# KiCad board Si5351ABreakout_panel.kicad_pcb (continued)
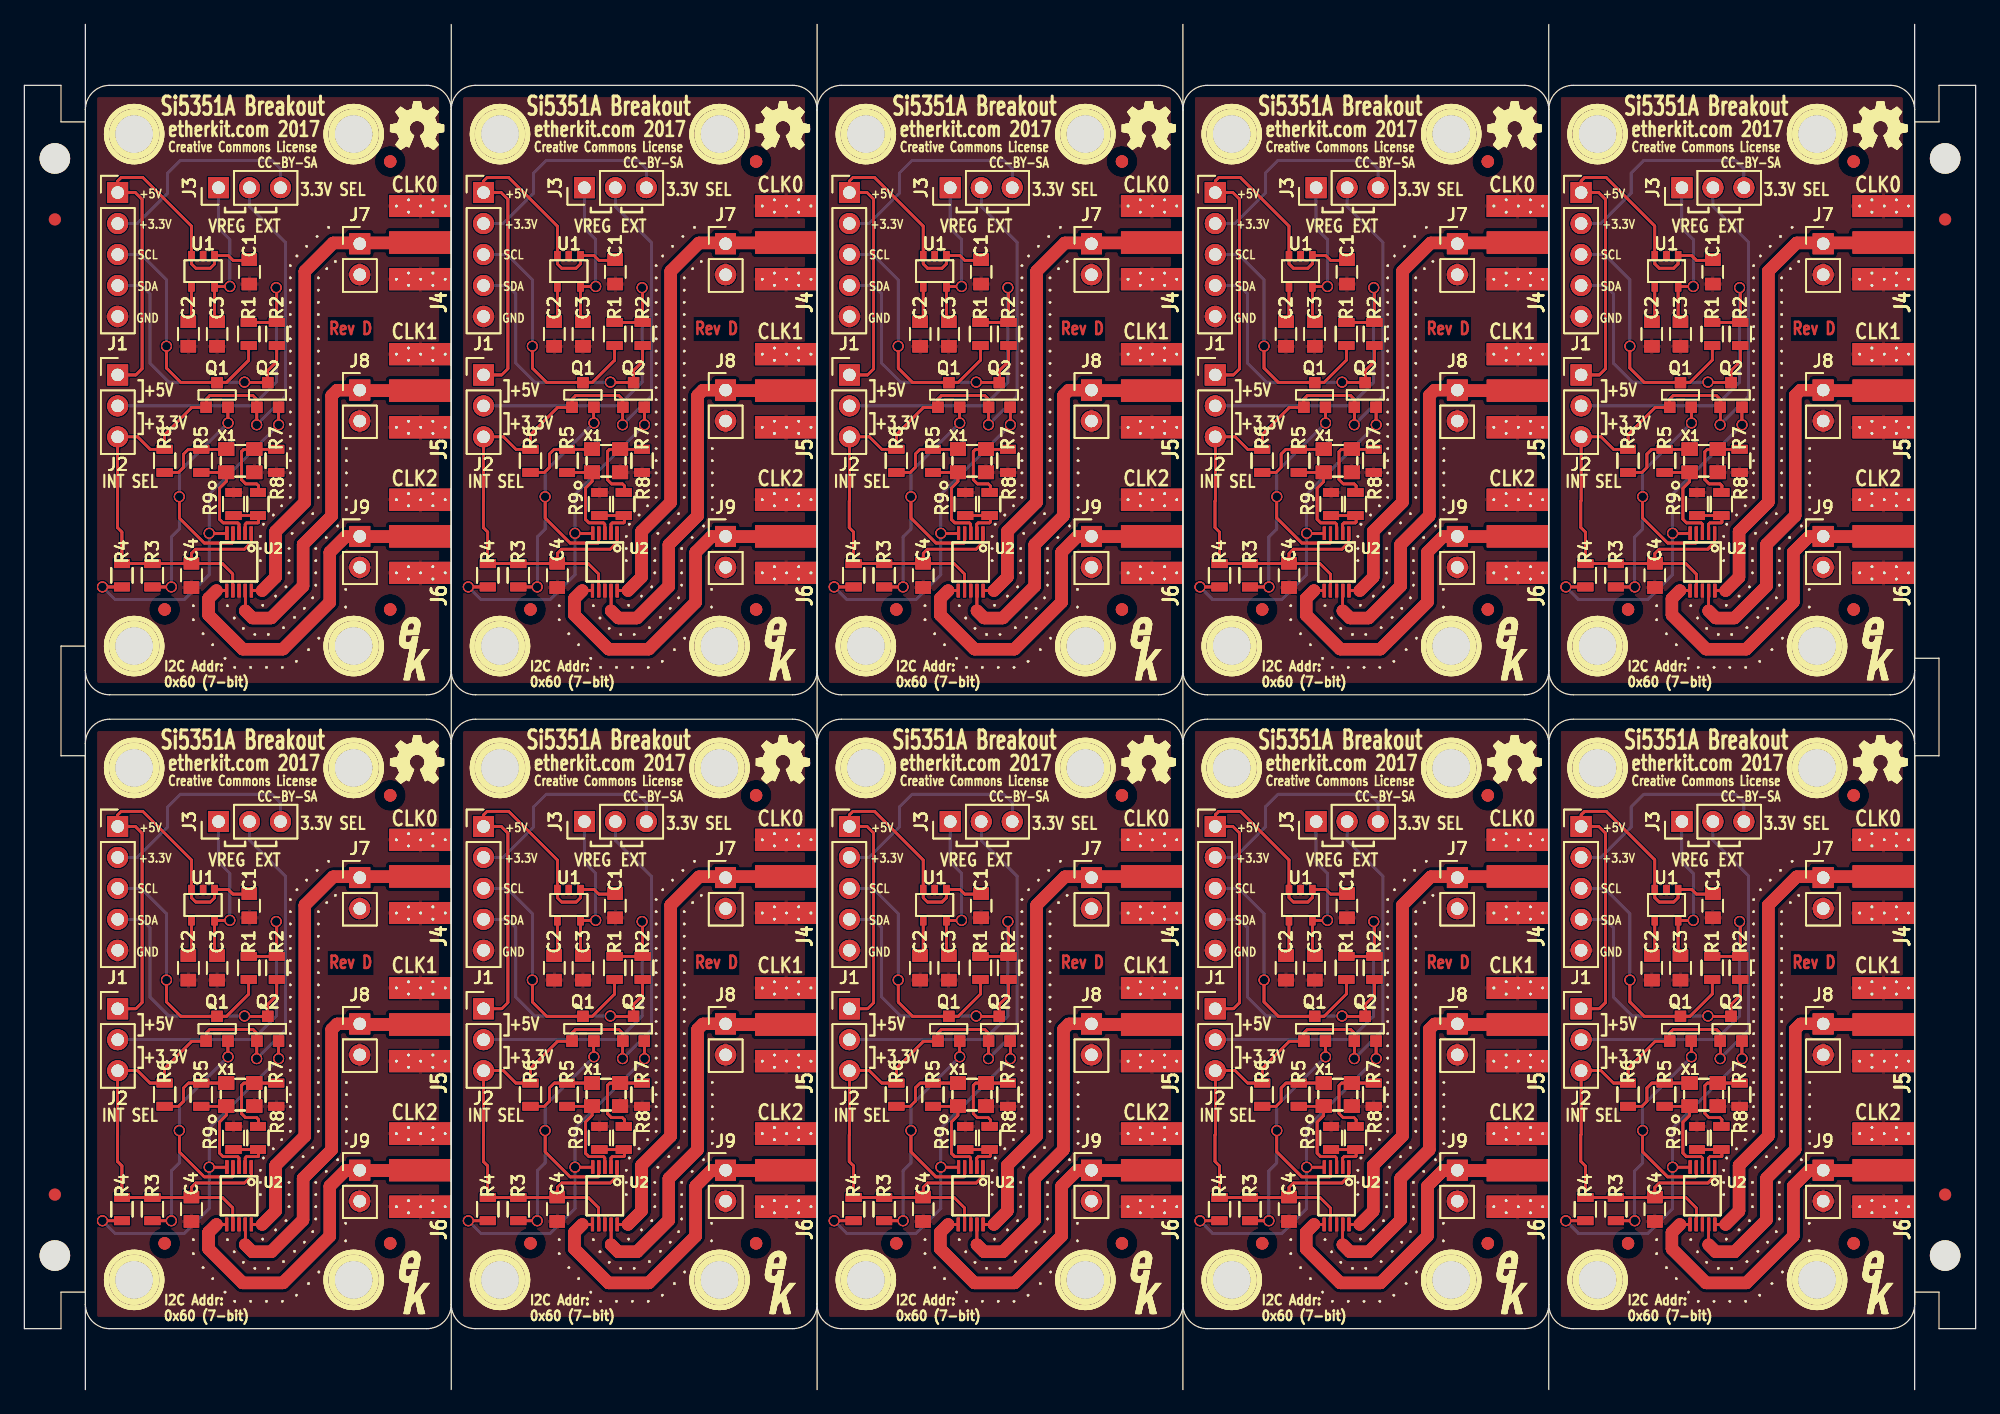
[diagram p0: board, top side]
## Routing (per net, layer and track width the routed paths; a pad name or vN(x,y) marks a point on that pad's centre or on a via; arc(x,y) is an arc through that point) (continued)
Net-(J6-Pad1): length 1116.3
  Top w0.2: 32.43,69.97 J6.1 ; 32.43,69.97 J6.1 ; 32.43,69.97 J6.1 ; 32.43,69.97 J6.1 ; 32.43,69.97 J6.1 ; 32.43,69.97 J6.1 ; 32.43,69.97 J6.1 ; 32.43,69.97 J6.1 ; 62.43,69.97 J6#2.1 ; 62.43,69.97 J6#2.1 ; 62.43,69.97 J6#2.1 ; 62.43,69.97 J6#2.1 ; 62.43,69.97 J6#2.1 ; 62.43,69.97 J6#2.1 ; 62.43,69.97 J6#2.1 ; 62.43,69.97 J6#2.1 ; 92.43,69.97 J6#3.1 ; 92.43,69.97 J6#3.1 ; 92.43,69.97 J6#3.1 ; 92.43,69.97 J6#3.1 ; 92.43,69.97 J6#3.1 ; 92.43,69.97 J6#3.1 ; 92.43,69.97 J6#3.1 ; 92.43,69.97 J6#3.1 ; 122.43,69.97 J6#4.1 ; 122.43,69.97 J6#4.1 ; 122.43,69.97 J6#4.1 ; 122.43,69.97 J6#4.1 ; 122.43,69.97 J6#4.1 ; 122.43,69.97 J6#4.1 ; 122.43,69.97 J6#4.1 ; 122.43,69.97 J6#4.1 ; 152.43,69.97 J6#5.1 ; 152.43,69.97 J6#5.1 ; 152.43,69.97 J6#5.1 ; 152.43,69.97 J6#5.1 ; 152.43,69.97 J6#5.1 ; 152.43,69.97 J6#5.1 ; 152.43,69.97 J6#5.1 ; 152.43,69.97 J6#5.1 ; 15.75,65.55 16.55,65.55 ; 15.75,65.55 16.55,65.55 ; 15.75,65.55 16.55,65.55 ; 15.75,65.55 16.55,65.55 ; 45.75,65.55 46.55,65.55 ; 45.75,65.55 46.55,65.55 ; 45.75,65.55 46.55,65.55 ; 45.75,65.55 46.55,65.55 ; 75.75,65.55 76.55,65.55 ; 75.75,65.55 76.55,65.55 ; 75.75,65.55 76.55,65.55 ; 75.75,65.55 76.55,65.55 ; 105.75,65.55 106.55,65.55 ; 105.75,65.55 106.55,65.55 ; 105.75,65.55 106.55,65.55 ; 105.75,65.55 106.55,65.55 ; 135.75,65.55 136.55,65.55 ; 135.75,65.55 136.55,65.55 ; 135.75,65.55 136.55,65.55 ; 135.75,65.55 136.55,65.55 ; 152.43,17.97 J6#29.1 ; 152.43,17.97 J6#29.1 ; 152.43,17.97 J6#29.1 ; 152.43,17.97 J6#29.1 ; 152.43,17.97 J6#29.1 ; 152.43,17.97 J6#29.1 ; 152.43,17.97 J6#29.1 ; 152.43,17.97 J6#29.1 ; 122.43,17.97 J6#33.1 ; 122.43,17.97 J6#33.1 ; 122.43,17.97 J6#33.1 ; 122.43,17.97 J6#33.1 ; 122.43,17.97 J6#33.1 ; 122.43,17.97 J6#33.1 ; 122.43,17.97 J6#33.1 ; 122.43,17.97 J6#33.1 ; 135.75,13.55 136.55,13.55 ; 135.75,13.55 136.55,13.55 ; 135.75,13.55 136.55,13.55 ; 135.75,13.55 136.55,13.55 ; 105.75,13.55 106.55,13.55 ; 105.75,13.55 106.55,13.55 ; 105.75,13.55 106.55,13.55 ; 105.75,13.55 106.55,13.55 ; 92.43,17.97 J6#37.1 ; 92.43,17.97 J6#37.1 ; 92.43,17.97 J6#37.1 ; 92.43,17.97 J6#37.1 ; 92.43,17.97 J6#37.1 ; 92.43,17.97 J6#37.1 ; 92.43,17.97 J6#37.1 ; 92.43,17.97 J6#37.1 ; 75.75,13.55 76.55,13.55 ; 75.75,13.55 76.55,13.55 ; 75.75,13.55 76.55,13.55 ; 75.75,13.55 76.55,13.55 ; 62.43,17.97 J6#21.1 ; 62.43,17.97 J6#21.1 ; 62.43,17.97 J6#21.1 ; 62.43,17.97 J6#21.1 ; 62.43,17.97 J6#21.1 ; 62.43,17.97 J6#21.1 ; 62.43,17.97 J6#21.1 ; 62.43,17.97 J6#21.1 ; 45.75,13.55 46.55,13.55 ; 45.75,13.55 46.55,13.55 ; 45.75,13.55 46.55,13.55 ; 45.75,13.55 46.55,13.55 ; 32.43,17.97 J6#25.1 ; 32.43,17.97 J6#25.1 ; 32.43,17.97 J6#25.1 ; 32.43,17.97 J6#25.1 ; 32.43,17.97 J6#25.1 ; 32.43,17.97 J6#25.1 ; 32.43,17.97 J6#25.1 ; 32.43,17.97 J6#25.1 ; 15.75,13.55 16.55,13.55 ; 15.75,13.55 16.55,13.55 ; 15.75,13.55 16.55,13.55 ; 15.75,13.55 16.55,13.55
  Top w0.3: 32.43,69.97 J6.1 ; 32.43,69.97 J6.1 ; 32.43,69.97 J6.1 ; 32.43,69.97 J6.1 ; 62.43,69.97 J6#2.1 ; 62.43,69.97 J6#2.1 ; 62.43,69.97 J6#2.1 ; 62.43,69.97 J6#2.1 ; 92.43,69.97 J6#3.1 ; 92.43,69.97 J6#3.1 ; 92.43,69.97 J6#3.1 ; 92.43,69.97 J6#3.1 ; 122.43,69.97 J6#4.1 ; 122.43,69.97 J6#4.1 ; 122.43,69.97 J6#4.1 ; 122.43,69.97 J6#4.1 ; 152.43,69.97 J6#5.1 ; 152.43,69.97 J6#5.1 ; 152.43,69.97 J6#5.1 ; 152.43,69.97 J6#5.1 ; 152.43,17.97 J6#29.1 ; 152.43,17.97 J6#29.1 ; 152.43,17.97 J6#29.1 ; 152.43,17.97 J6#29.1 ; 122.43,17.97 J6#33.1 ; 122.43,17.97 J6#33.1 ; 122.43,17.97 J6#33.1 ; 122.43,17.97 J6#33.1 ; 92.43,17.97 J6#37.1 ; 92.43,17.97 J6#37.1 ; 92.43,17.97 J6#37.1 ; 92.43,17.97 J6#37.1 ; 62.43,17.97 J6#21.1 ; 62.43,17.97 J6#21.1 ; 62.43,17.97 J6#21.1 ; 62.43,17.97 J6#21.1 ; 32.43,17.97 J6#25.1 ; 32.43,17.97 J6#25.1 ; 32.43,17.97 J6#25.1 ; 32.43,17.97 J6#25.1
  Top w1: 32.43,69.97 26.32,69.97 ; 32.43,69.97 26.32,69.97 ; 32.43,69.97 26.32,69.97 ; 32.43,69.97 26.32,69.97 ; 26.32,69.97 25.05,68.7 ; 26.32,69.97 25.05,68.7 ; 26.32,69.97 25.05,68.7 ; 26.32,69.97 25.05,68.7 ; 25.05,68.7 25.05,64.6 ; 25.05,68.7 25.05,64.6 ; 25.05,68.7 25.05,64.6 ; 25.05,68.7 25.05,64.6 ; 25.05,64.6 21.2,60.75 ; 25.05,64.6 21.2,60.75 ; 25.05,64.6 21.2,60.75 ; 25.05,64.6 21.2,60.75 ; 21.2,60.75 17.9,60.75 ; 21.2,60.75 17.9,60.75 ; 21.2,60.75 17.9,60.75 ; 21.2,60.75 17.9,60.75 ; 17.9,60.75 15.1,63.55 ; 17.9,60.75 15.1,63.55 ; 17.9,60.75 15.1,63.55 ; 17.9,60.75 15.1,63.55 ; 15.1,63.55 15.1,64.9 ; 15.1,63.55 15.1,64.9 ; 15.1,63.55 15.1,64.9 ; 15.1,63.55 15.1,64.9 ; 15.1,64.9 15.75,65.55 ; 15.1,64.9 15.75,65.55 ; 15.1,64.9 15.75,65.55 ; 15.1,64.9 15.75,65.55 ; 62.43,69.97 56.32,69.97 ; 62.43,69.97 56.32,69.97 ; 62.43,69.97 56.32,69.97 ; 62.43,69.97 56.32,69.97 ; 56.32,69.97 55.05,68.7 ; 56.32,69.97 55.05,68.7 ; 56.32,69.97 55.05,68.7 ; 56.32,69.97 55.05,68.7 ; 55.05,68.7 55.05,64.6 ; 55.05,68.7 55.05,64.6 ; 55.05,68.7 55.05,64.6 ; 55.05,68.7 55.05,64.6 ; 55.05,64.6 51.2,60.75 ; 55.05,64.6 51.2,60.75 ; 55.05,64.6 51.2,60.75 ; 55.05,64.6 51.2,60.75 ; 51.2,60.75 47.9,60.75 ; 51.2,60.75 47.9,60.75 ; 51.2,60.75 47.9,60.75 ; 51.2,60.75 47.9,60.75 ; 47.9,60.75 45.1,63.55 ; 47.9,60.75 45.1,63.55 ; 47.9,60.75 45.1,63.55 ; 47.9,60.75 45.1,63.55 ; 45.1,63.55 45.1,64.9 ; 45.1,63.55 45.1,64.9 ; 45.1,63.55 45.1,64.9 ; 45.1,63.55 45.1,64.9 ; 45.1,64.9 45.75,65.55 ; 45.1,64.9 45.75,65.55 ; 45.1,64.9 45.75,65.55 ; 45.1,64.9 45.75,65.55 ; 92.43,69.97 86.32,69.97 ; 92.43,69.97 86.32,69.97 ; 92.43,69.97 86.32,69.97 ; 92.43,69.97 86.32,69.97 ; 86.32,69.97 85.05,68.7 ; 86.32,69.97 85.05,68.7 ; 86.32,69.97 85.05,68.7 ; 86.32,69.97 85.05,68.7 ; 85.05,68.7 85.05,64.6 ; 85.05,68.7 85.05,64.6 ; 85.05,68.7 85.05,64.6 ; 85.05,68.7 85.05,64.6 ; 85.05,64.6 81.2,60.75 ; 85.05,64.6 81.2,60.75 ; 85.05,64.6 81.2,60.75 ; 85.05,64.6 81.2,60.75 ; 81.2,60.75 77.9,60.75 ; 81.2,60.75 77.9,60.75 ; 81.2,60.75 77.9,60.75 ; 81.2,60.75 77.9,60.75 ; 77.9,60.75 75.1,63.55 ; 77.9,60.75 75.1,63.55 ; 77.9,60.75 75.1,63.55 ; 77.9,60.75 75.1,63.55 ; 75.1,63.55 75.1,64.9 ; 75.1,63.55 75.1,64.9 ; 75.1,63.55 75.1,64.9 ; 75.1,63.55 75.1,64.9 ; 75.1,64.9 75.75,65.55 ; 75.1,64.9 75.75,65.55 ; 75.1,64.9 75.75,65.55 ; 75.1,64.9 75.75,65.55 ; 122.43,69.97 116.32,69.97 ; 122.43,69.97 116.32,69.97 ; 122.43,69.97 116.32,69.97 ; 122.43,69.97 116.32,69.97 ; 116.32,69.97 115.05,68.7 ; 116.32,69.97 115.05,68.7 ; 116.32,69.97 115.05,68.7 ; 116.32,69.97 115.05,68.7 ; 115.05,68.7 115.05,64.6 ; 115.05,68.7 115.05,64.6 ; 115.05,68.7 115.05,64.6 ; 115.05,68.7 115.05,64.6 ; 115.05,64.6 111.2,60.75 ; 115.05,64.6 111.2,60.75 ; 115.05,64.6 111.2,60.75 ; 115.05,64.6 111.2,60.75 ; 111.2,60.75 107.9,60.75 ; 111.2,60.75 107.9,60.75 ; 111.2,60.75 107.9,60.75 ; 111.2,60.75 107.9,60.75 ; 107.9,60.75 105.1,63.55 ; 107.9,60.75 105.1,63.55 ; 107.9,60.75 105.1,63.55 ; 107.9,60.75 105.1,63.55 ; 105.1,63.55 105.1,64.9 ; 105.1,63.55 105.1,64.9 ; 105.1,63.55 105.1,64.9 ; 105.1,63.55 105.1,64.9 ; 105.1,64.9 105.75,65.55 ; 105.1,64.9 105.75,65.55 ; 105.1,64.9 105.75,65.55 ; 105.1,64.9 105.75,65.55 ; 152.43,69.97 146.32,69.97 ; 152.43,69.97 146.32,69.97 ; 152.43,69.97 146.32,69.97 ; 152.43,69.97 146.32,69.97 ; 146.32,69.97 145.05,68.7 ; 146.32,69.97 145.05,68.7 ; 146.32,69.97 145.05,68.7 ; 146.32,69.97 145.05,68.7 ; 145.05,68.7 145.05,64.6 ; 145.05,68.7 145.05,64.6 ; 145.05,68.7 145.05,64.6 ; 145.05,68.7 145.05,64.6 ; 145.05,64.6 141.2,60.75 ; 145.05,64.6 141.2,60.75 ; 145.05,64.6 141.2,60.75 ; 145.05,64.6 141.2,60.75 ; 141.2,60.75 137.9,60.75 ; 141.2,60.75 137.9,60.75 ; 141.2,60.75 137.9,60.75 ; 141.2,60.75 137.9,60.75 ; 137.9,60.75 135.1,63.55 ; 137.9,60.75 135.1,63.55 ; 137.9,60.75 135.1,63.55 ; 137.9,60.75 135.1,63.55 ; 135.1,63.55 135.1,64.9 ; 135.1,63.55 135.1,64.9 ; 135.1,63.55 135.1,64.9 ; 135.1,63.55 135.1,64.9 ; 135.1,64.9 135.75,65.55 ; 135.1,64.9 135.75,65.55 ; 135.1,64.9 135.75,65.55 ; 135.1,64.9 135.75,65.55 ; 111.2,8.75 107.9,8.75 ; 111.2,8.75 107.9,8.75 ; 111.2,8.75 107.9,8.75 ; 111.2,8.75 107.9,8.75 ; 111.2,8.75 115.05,12.6 ; 111.2,8.75 115.05,12.6 ; 111.2,8.75 115.05,12.6 ; 111.2,8.75 115.05,12.6 ; 107.9,8.75 105.1,11.55 ; 107.9,8.75 105.1,11.55 ; 107.9,8.75 105.1,11.55 ; 107.9,8.75 105.1,11.55 ; 105.1,11.55 105.1,12.9 ; 105.1,11.55 105.1,12.9 ; 105.1,11.55 105.1,12.9 ; 105.1,11.55 105.1,12.9 ; 105.1,12.9 105.75,13.55 ; 105.1,12.9 105.75,13.55 ; 105.1,12.9 105.75,13.55 ; 105.1,12.9 105.75,13.55 ; 152.43,17.97 146.32,17.97 ; 152.43,17.97 146.32,17.97 ; 152.43,17.97 146.32,17.97 ; 152.43,17.97 146.32,17.97 ; 146.32,17.97 145.05,16.7 ; 146.32,17.97 145.05,16.7 ; 146.32,17.97 145.05,16.7 ; 146.32,17.97 145.05,16.7 ; 145.05,16.7 145.05,12.6 ; 145.05,16.7 145.05,12.6 ; 145.05,16.7 145.05,12.6 ; 145.05,16.7 145.05,12.6 ; 116.32,17.97 115.05,16.7 ; 116.32,17.97 115.05,16.7 ; 116.32,17.97 115.05,16.7 ; 116.32,17.97 115.05,16.7 ; 116.32,17.97 122.43,17.97 ; 116.32,17.97 122.43,17.97 ; 116.32,17.97 122.43,17.97 ; 116.32,17.97 122.43,17.97 ; 115.05,16.7 115.05,12.6 ; 115.05,16.7 115.05,12.6 ; 115.05,16.7 115.05,12.6 ; 115.05,16.7 115.05,12.6 ; 137.9,8.75 135.1,11.55 ; 137.9,8.75 135.1,11.55 ; 137.9,8.75 135.1,11.55 ; 137.9,8.75 135.1,11.55 ; 137.9,8.75 141.2,8.75 ; 137.9,8.75 141.2,8.75 ; 137.9,8.75 141.2,8.75 ; 137.9,8.75 141.2,8.75 ; 135.1,11.55 135.1,12.9 ; 135.1,11.55 135.1,12.9 ; 135.1,11.55 135.1,12.9 ; 135.1,11.55 135.1,12.9 ; 135.1,12.9 135.75,13.55 ; 135.1,12.9 135.75,13.55 ; 135.1,12.9 135.75,13.55 ; 135.1,12.9 135.75,13.55 ; 145.05,12.6 141.2,8.75 ; 145.05,12.6 141.2,8.75 ; 145.05,12.6 141.2,8.75 ; 145.05,12.6 141.2,8.75 ; 85.05,16.7 85.05,12.6 ; 85.05,16.7 85.05,12.6 ; 85.05,16.7 85.05,12.6 ; 85.05,16.7 85.05,12.6 ; 85.05,16.7 86.32,17.97 ; 85.05,16.7 86.32,17.97 ; 85.05,16.7 86.32,17.97 ; 85.05,16.7 86.32,17.97 ; 85.05,12.6 81.2,8.75 ; 85.05,12.6 81.2,8.75 ; 85.05,12.6 81.2,8.75 ; 85.05,12.6 81.2,8.75 ; 86.32,17.97 92.43,17.97 ; 86.32,17.97 92.43,17.97 ; 86.32,17.97 92.43,17.97 ; 86.32,17.97 92.43,17.97 ; 75.1,12.9 75.75,13.55 ; 75.1,12.9 75.75,13.55 ; 75.1,12.9 75.75,13.55 ; 75.1,12.9 75.1,11.55 ; 75.1,12.9 75.1,11.55 ; 75.1,12.9 75.75,13.55 ; 75.1,12.9 75.1,11.55 ; 75.1,12.9 75.1,11.55 ; 62.43,17.97 56.32,17.97 ; 62.43,17.97 56.32,17.97 ; 62.43,17.97 56.32,17.97 ; 62.43,17.97 56.32,17.97 ; 56.32,17.97 55.05,16.7 ; 56.32,17.97 55.05,16.7 ; 56.32,17.97 55.05,16.7 ; 56.32,17.97 55.05,16.7 ; 51.2,8.75 47.9,8.75 ; 51.2,8.75 47.9,8.75 ; 51.2,8.75 55.05,12.6 ; 51.2,8.75 55.05,12.6 ; 51.2,8.75 47.9,8.75 ; 51.2,8.75 55.05,12.6 ; 51.2,8.75 47.9,8.75 ; 51.2,8.75 55.05,12.6 ; 47.9,8.75 45.1,11.55 ; 47.9,8.75 45.1,11.55 ; 47.9,8.75 45.1,11.55 ; 47.9,8.75 45.1,11.55 ; 55.05,12.6 55.05,16.7 ; 55.05,12.6 55.05,16.7 ; 55.05,12.6 55.05,16.7 ; 55.05,12.6 55.05,16.7 ; 81.2,8.75 77.9,8.75 ; 81.2,8.75 77.9,8.75 ; 81.2,8.75 77.9,8.75 ; 81.2,8.75 77.9,8.75 ; 77.9,8.75 75.1,11.55 ; 77.9,8.75 75.1,11.55 ; 77.9,8.75 75.1,11.55 ; 77.9,8.75 75.1,11.55 ; 45.1,11.55 45.1,12.9 ; 45.1,11.55 45.1,12.9 ; 45.1,11.55 45.1,12.9 ; 45.1,11.55 45.1,12.9 ; 45.1,12.9 45.75,13.55 ; 45.1,12.9 45.75,13.55 ; 45.1,12.9 45.75,13.55 ; 45.1,12.9 45.75,13.55 ; 32.43,17.97 26.32,17.97 ; 32.43,17.97 26.32,17.97 ; 32.43,17.97 26.32,17.97 ; 32.43,17.97 26.32,17.97 ; 26.32,17.97 25.05,16.7 ; 26.32,17.97 25.05,16.7 ; 26.32,17.97 25.05,16.7 ; 26.32,17.97 25.05,16.7 ; 17.9,8.75 15.1,11.55 ; 17.9,8.75 15.1,11.55 ; 17.9,8.75 21.2,8.75 ; 17.9,8.75 21.2,8.75 ; 17.9,8.75 21.2,8.75 ; 17.9,8.75 15.1,11.55 ; 17.9,8.75 21.2,8.75 ; 17.9,8.75 15.1,11.55 ; 15.1,11.55 15.1,12.9 ; 15.1,11.55 15.1,12.9 ; 15.1,11.55 15.1,12.9 ; 15.1,11.55 15.1,12.9 ; 21.2,8.75 25.05,12.6 ; 21.2,8.75 25.05,12.6 ; 21.2,8.75 25.05,12.6 ; 21.2,8.75 25.05,12.6 ; 25.05,16.7 25.05,12.6 ; 25.05,16.7 25.05,12.6 ; 25.05,16.7 25.05,12.6 ; 25.05,16.7 25.05,12.6 ; 15.1,12.9 15.75,13.55 ; 15.1,12.9 15.75,13.55 ; 15.1,12.9 15.75,13.55 ; 15.1,12.9 15.75,13.55
Net-(Q1-Pad1): length 1039.4
  Top w0.2: 16.69,79.31 v1(16.7,79.3) ; 16.69,79.31 Q1.1 ; 16.69,79.31 v1(16.7,79.3) ; 16.69,79.31 v1(16.7,79.3) ; 16.69,79.31 Q1.1 ; 16.69,79.31 Q1.1 ; 16.69,79.31 v1(16.7,79.3) ; 16.69,79.31 Q1.1 ; 46.69,79.31 v1(46.7,79.3) ; 46.69,79.31 Q1#2.1 ; 46.69,79.31 v1(46.7,79.3) ; 46.69,79.31 v1(46.7,79.3) ; 46.69,79.31 Q1#2.1 ; 46.69,79.31 Q1#2.1 ; 46.69,79.31 v1(46.7,79.3) ; 46.69,79.31 Q1#2.1 ; 76.69,79.31 v1(76.7,79.3) ; 76.69,79.31 Q1#3.1 ; 76.69,79.31 v1(76.7,79.3) ; 76.69,79.31 v1(76.7,79.3) ; 76.69,79.31 Q1#3.1 ; 76.69,79.31 Q1#3.1 ; 76.69,79.31 v1(76.7,79.3) ; 76.69,79.31 Q1#3.1 ; 106.69,79.31 v1(106.7,79.3) ; 106.69,79.31 106.69,80.58 ; 106.69,79.31 v1(106.7,79.3) ; 106.69,79.31 v1(106.7,79.3) ; 106.69,79.31 106.69,80.58 ; 106.69,79.31 106.69,80.58 ; 106.69,79.31 v1(106.7,79.3) ; 106.69,79.31 106.69,80.58 ; 136.69,79.31 v1(136.7,79.3) ; 136.69,79.31 136.69,80.58 ; 136.69,79.31 v1(136.7,79.3) ; 136.69,79.31 v1(136.7,79.3) ; 136.69,79.31 136.69,80.58 ; 136.69,79.31 136.69,80.58 ; 136.69,79.31 v1(136.7,79.3) ; 136.69,79.31 136.69,80.58 ; 12.05,65.85 v1(12.05,65.85) ; 12.05,65.85 10.5,65.85 ; 12.05,65.85 v1(12.05,65.85) ; 12.05,65.85 v1(12.05,65.85) ; 12.05,65.85 10.5,65.85 ; 12.05,65.85 10.5,65.85 ; 12.05,65.85 v1(12.05,65.85) ; 12.05,65.85 10.5,65.85 ; 42.05,65.85 v1(42.05,65.85) ; 42.05,65.85 40.5,65.85 ; 42.05,65.85 v1(42.05,65.85) ; 42.05,65.85 v1(42.05,65.85) ; 42.05,65.85 40.5,65.85 ; 42.05,65.85 40.5,65.85 ; 42.05,65.85 v1(42.05,65.85) ; 42.05,65.85 40.5,65.85 ; 72.05,65.85 v1(72.05,65.85) ; 72.05,65.85 70.5,65.85 ; 72.05,65.85 v1(72.05,65.85) ; 72.05,65.85 v1(72.05,65.85) ; 72.05,65.85 70.5,65.85 ; 72.05,65.85 70.5,65.85 ; 72.05,65.85 v1(72.05,65.85) ; 72.05,65.85 70.5,65.85 ; 102.05,65.85 v1(102.05,65.85) ; 102.05,65.85 100.5,65.85 ; 102.05,65.85 v1(102.05,65.85) ; 102.05,65.85 v1(102.05,65.85) ; 102.05,65.85 100.5,65.85 ; 102.05,65.85 100.5,65.85 ; 102.05,65.85 v1(102.05,65.85) ; 102.05,65.85 100.5,65.85 ; 132.05,65.85 v1(132.05,65.85) ; 132.05,65.85 130.5,65.85 ; 132.05,65.85 v1(132.05,65.85) ; 132.05,65.85 v1(132.05,65.85) ; 132.05,65.85 130.5,65.85 ; 132.05,65.85 130.5,65.85 ; 132.05,65.85 v1(132.05,65.85) ; 132.05,65.85 130.5,65.85 ; 14.75,69.45 12.7,71.5 ; 14.75,69.45 17.05,69.45 ; 14.75,69.45 17.05,69.45 ; 14.75,69.45 12.7,71.5 ; 14.75,69.45 12.7,71.5 ; 14.75,69.45 17.05,69.45 ; 14.75,69.45 17.05,69.45 ; 14.75,69.45 12.7,71.5 ; 12.7,71.5 v1(12.7,73.25) ; 12.7,71.5 v1(12.7,73.25) ; 12.7,71.5 v1(12.7,73.25) ; 12.7,71.5 v1(12.7,73.25) ; U2.4 17.1,69.5 ; U2.4 17.1,69.5 ; U2.4 17.1,69.5 ; U2.4 17.1,69.5 ; 17.1,69.5 17.05,69.45 ; 17.1,69.5 17.05,69.45 ; 17.1,69.5 17.05,69.45 ; 17.1,69.5 17.05,69.45 ; 44.75,69.45 42.7,71.5 ; 44.75,69.45 47.05,69.45 ; 44.75,69.45 47.05,69.45 ; 44.75,69.45 42.7,71.5 ; 44.75,69.45 42.7,71.5 ; 44.75,69.45 47.05,69.45 ; 44.75,69.45 42.7,71.5 ; 44.75,69.45 47.05,69.45 ; 42.7,71.5 v1(42.7,73.25) ; 42.7,71.5 v1(42.7,73.25) ; 42.7,71.5 v1(42.7,73.25) ; 42.7,71.5 v1(42.7,73.25) ; U2#2.4 47.1,69.5 ; U2#2.4 47.1,69.5 ; U2#2.4 47.1,69.5 ; U2#2.4 47.1,69.5 ; 47.1,69.5 47.05,69.45 ; 47.1,69.5 47.05,69.45 ; 47.1,69.5 47.05,69.45 ; 47.1,69.5 47.05,69.45 ; 74.75,69.45 72.7,71.5 ; 74.75,69.45 77.05,69.45 ; 74.75,69.45 77.05,69.45 ; 74.75,69.45 72.7,71.5 ; 74.75,69.45 72.7,71.5 ; 74.75,69.45 77.05,69.45 ; 74.75,69.45 77.05,69.45 ; 74.75,69.45 72.7,71.5 ; 72.7,71.5 v1(72.7,73.25) ; 72.7,71.5 v1(72.7,73.25) ; 72.7,71.5 v1(72.7,73.25) ; 72.7,71.5 v1(72.7,73.25) ; U2#3.4 77.1,69.5 ; U2#3.4 77.1,69.5 ; U2#3.4 77.1,69.5 ; U2#3.4 77.1,69.5 ; 77.1,69.5 77.05,69.45 ; 77.1,69.5 77.05,69.45 ; 77.1,69.5 77.05,69.45 ; 77.1,69.5 77.05,69.45 ; 104.75,69.45 102.7,71.5 ; 104.75,69.45 107.05,69.45 ; 104.75,69.45 107.05,69.45 ; 104.75,69.45 102.7,71.5 ; 104.75,69.45 102.7,71.5 ; 104.75,69.45 107.05,69.45 ; 104.75,69.45 107.05,69.45 ; 104.75,69.45 102.7,71.5 ; 102.7,71.5 v1(102.7,73.25) ; 102.7,71.5 v1(102.7,73.25) ; 102.7,71.5 v1(102.7,73.25) ; 102.7,71.5 v1(102.7,73.25) ; U2#4.4 107.1,69.5 ; U2#4.4 107.1,69.5 ; U2#4.4 107.1,69.5 ; U2#4.4 107.1,69.5 ; 107.1,69.5 107.05,69.45 ; 107.1,69.5 107.05,69.45 ; 107.1,69.5 107.05,69.45 ; 107.1,69.5 107.05,69.45 ; 134.75,69.45 132.7,71.5 ; 134.75,69.45 137.05,69.45 ; 134.75,69.45 137.05,69.45 ; 134.75,69.45 132.7,71.5 ; 134.75,69.45 132.7,71.5 ; 134.75,69.45 137.05,69.45 ; 134.75,69.45 137.05,69.45 ; 134.75,69.45 132.7,71.5 ; 132.7,71.5 v1(132.7,73.25) ; 132.7,71.5 v1(132.7,73.25) ; 132.7,71.5 v1(132.7,73.25) ; 132.7,71.5 v1(132.7,73.25) ; U2#5.4 137.1,69.5 ; U2#5.4 137.1,69.5 ; U2#5.4 137.1,69.5 ; U2#5.4 137.1,69.5 ; 137.1,69.5 137.05,69.45 ; 137.1,69.5 137.05,69.45 ; 137.1,69.5 137.05,69.45 ; 137.1,69.5 137.05,69.45 ; 130.5,13.85 132.05,13.85 ; 130.5,13.85 132.05,13.85 ; 130.5,13.85 132.05,13.85 ; 130.5,13.85 132.05,13.85 ; 132.05,13.85 v1(132.05,13.85) ; 132.05,13.85 v1(132.05,13.85) ; 132.05,13.85 v1(132.05,13.85) ; 132.05,13.85 v1(132.05,13.85) ; 132.7,19.5 v1(132.7,21.25) ; 132.7,19.5 v1(132.7,21.25) ; 132.7,19.5 v1(132.7,21.25) ; 132.7,19.5 v1(132.7,21.25) ; 132.7,19.5 134.75,17.45 ; 132.7,19.5 134.75,17.45 ; 132.7,19.5 134.75,17.45 ; 132.7,19.5 134.75,17.45 ; 137.05,17.45 134.75,17.45 ; 137.05,17.45 137.1,17.5 ; 137.05,17.45 137.1,17.5 ; 137.05,17.45 137.1,17.5 ; 137.05,17.45 137.1,17.5 ; 137.05,17.45 134.75,17.45 ; 137.05,17.45 134.75,17.45 ; 137.05,17.45 134.75,17.45 ; U2#37.4 137.1,17.5 ; U2#37.4 137.1,17.5 ; U2#37.4 137.1,17.5 ; U2#37.4 137.1,17.5 ; 136.69,28.58 136.69,27.31 ; 136.69,28.58 136.69,27.31 ; 136.69,28.58 136.69,27.31 ; 136.69,28.58 136.69,27.31 ; 136.69,27.31 v1(136.7,27.3) ; 136.69,27.31 v1(136.7,27.3) ; 136.69,27.31 v1(136.7,27.3) ; 136.69,27.31 v1(136.7,27.3) ; 106.69,27.31 v1(106.7,27.3) ; 106.69,27.31 v1(106.7,27.3) ; 106.69,27.31 106.69,28.58 ; 106.69,27.31 106.69,28.58 ; 106.69,27.31 v1(106.7,27.3) ; 106.69,27.31 106.69,28.58 ; 106.69,27.31 106.69,28.58 ; 106.69,27.31 v1(106.7,27.3) ; 100.5,13.85 102.05,13.85 ; 100.5,13.85 102.05,13.85 ; 100.5,13.85 102.05,13.85 ; 100.5,13.85 102.05,13.85 ; 102.05,13.85 v1(102.05,13.85) ; 102.05,13.85 v1(102.05,13.85) ; 102.05,13.85 v1(102.05,13.85) ; 102.05,13.85 v1(102.05,13.85) ; 107.05,17.45 104.75,17.45 ; 107.05,17.45 104.75,17.45 ; 107.05,17.45 104.75,17.45 ; 107.05,17.45 107.1,17.5 ; 107.05,17.45 107.1,17.5 ; 107.05,17.45 107.1,17.5 ; 107.05,17.45 107.1,17.5 ; 107.05,17.45 104.75,17.45 ; 104.75,17.45 102.7,19.5 ; 104.75,17.45 102.7,19.5 ; 104.75,17.45 102.7,19.5 ; 104.75,17.45 102.7,19.5 ; U2#33.4 107.1,17.5 ; U2#33.4 107.1,17.5 ; U2#33.4 107.1,17.5 ; U2#33.4 107.1,17.5 ; 102.7,19.5 v1(102.7,21.25) ; 102.7,19.5 v1(102.7,21.25) ; 102.7,19.5 v1(102.7,21.25) ; 102.7,19.5 v1(102.7,21.25) ; Q1#21.1 76.69,27.31 ; Q1#21.1 76.69,27.31 ; Q1#21.1 76.69,27.31 ; Q1#21.1 76.69,27.31 ; 76.69,27.31 v1(76.7,27.3) ; 76.69,27.31 v1(76.7,27.3) ; 76.69,27.31 v1(76.7,27.3) ; 76.69,27.31 v1(76.7,27.3) ; 77.1,17.5 77.05,17.45 ; 77.1,17.5 77.05,17.45 ; 77.1,17.5 77.05,17.45 ; 77.1,17.5 U2#21.4 ; 77.1,17.5 U2#21.4 ; 77.1,17.5 U2#21.4 ; 77.1,17.5 U2#21.4 ; 77.1,17.5 77.05,17.45 ; 77.05,17.45 74.75,17.45 ; 77.05,17.45 74.75,17.45 ; 77.05,17.45 74.75,17.45 ; 77.05,17.45 74.75,17.45 ; 74.75,17.45 72.7,19.5 ; 74.75,17.45 72.7,19.5 ; 74.75,17.45 72.7,19.5 ; 74.75,17.45 72.7,19.5 ; 70.5,13.85 72.05,13.85 ; 70.5,13.85 72.05,13.85 ; 70.5,13.85 72.05,13.85 ; 70.5,13.85 72.05,13.85 ; 72.05,13.85 v1(72.05,13.85) ; 72.05,13.85 v1(72.05,13.85) ; 72.05,13.85 v1(72.05,13.85) ; 72.05,13.85 v1(72.05,13.85) ; 72.7,19.5 v1(72.7,21.25) ; 72.7,19.5 v1(72.7,21.25) ; 72.7,19.5 v1(72.7,21.25) ; 72.7,19.5 v1(72.7,21.25) ; 42.05,13.85 v1(42.05,13.85) ; 42.05,13.85 v1(42.05,13.85) ; 42.05,13.85 v1(42.05,13.85) ; 42.05,13.85 v1(42.05,13.85) ; 42.05,13.85 40.5,13.85 ; 42.05,13.85 40.5,13.85 ; 42.05,13.85 40.5,13.85 ; 42.05,13.85 40.5,13.85 ; 44.75,17.45 42.7,19.5 ; 44.75,17.45 42.7,19.5 ; 44.75,17.45 42.7,19.5 ; 44.75,17.45 42.7,19.5 ; 44.75,17.45 47.05,17.45 ; 44.75,17.45 47.05,17.45 ; 44.75,17.45 47.05,17.45 ; 44.75,17.45 47.05,17.45 ; 42.7,19.5 v1(42.7,21.25) ; 42.7,19.5 v1(42.7,21.25) ; 42.7,19.5 v1(42.7,21.25) ; 42.7,19.5 v1(42.7,21.25) ; Q1#29.1 46.69,27.31 ; Q1#29.1 46.69,27.31 ; Q1#29.1 46.69,27.31 ; Q1#29.1 46.69,27.31 ; 46.69,27.31 v1(46.7,27.3) ; 46.69,27.31 v1(46.7,27.3) ; 46.69,27.31 v1(46.7,27.3) ; 46.69,27.31 v1(46.7,27.3) ; 47.1,17.5 47.05,17.45 ; 47.1,17.5 47.05,17.45 ; 47.1,17.5 47.05,17.45 ; 47.1,17.5 47.05,17.45 ; 47.1,17.5 U2#26.4 ; 47.1,17.5 U2#26.4 ; 47.1,17.5 U2#26.4 ; 47.1,17.5 U2#26.4 ; 16.69,27.31 v1(16.7,27.3) ; 16.69,27.31 v1(16.7,27.3) ; 16.69,27.31 v1(16.7,27.3) ; 16.69,27.31 v1(16.7,27.3) ; 16.69,27.31 Q1#25.1 ; 16.69,27.31 Q1#25.1 ; 16.69,27.31 Q1#25.1 ; 16.69,27.31 Q1#25.1 ; 10.5,13.85 12.05,13.85 ; 10.5,13.85 12.05,13.85 ; 10.5,13.85 12.05,13.85 ; 10.5,13.85 12.05,13.85 ; 12.05,13.85 v1(12.05,13.85) ; 12.05,13.85 v1(12.05,13.85) ; 12.05,13.85 v1(12.05,13.85) ; 12.05,13.85 v1(12.05,13.85) ; U2#25.4 17.1,17.5 ; U2#25.4 17.1,17.5 ; U2#25.4 17.1,17.5 ; U2#25.4 17.1,17.5 ; 17.1,17.5 17.05,17.45 ; 17.1,17.5 17.05,17.45 ; 17.1,17.5 17.05,17.45 ; 17.1,17.5 17.05,17.45 ; 17.05,17.45 14.75,17.45 ; 17.05,17.45 14.75,17.45 ; 17.05,17.45 14.75,17.45 ; 17.05,17.45 14.75,17.45 ; 14.75,17.45 12.7,19.5 ; 14.75,17.45 12.7,19.5 ; 14.75,17.45 12.7,19.5 ; 14.75,17.45 12.7,19.5 ; 12.7,19.5 v1(12.7,21.25) ; 12.7,19.5 v1(12.7,21.25) ; 12.7,19.5 v1(12.7,21.25) ; 12.7,19.5 v1(12.7,21.25)
  Bottom w0.2: v1(16.7,79.3) 12.7,75.3 ; v1(16.7,79.3) 12.7,75.3 ; v1(16.7,79.3) 12.7,75.3 ; v1(16.7,79.3) 12.7,75.3 ; 12.7,75.3 v1(12.7,73.25) ; 12.7,75.3 v1(12.7,73.25) ; 12.7,75.3 v1(12.7,73.25) ; 12.7,75.3 v1(12.7,73.25) ; v1(46.7,79.3) 42.7,75.3 ; v1(46.7,79.3) 42.7,75.3 ; v1(46.7,79.3) 42.7,75.3 ; v1(46.7,79.3) 42.7,75.3 ; 42.7,75.3 v1(42.7,73.25) ; 42.7,75.3 v1(42.7,73.25) ; 42.7,75.3 v1(42.7,73.25) ; 42.7,75.3 v1(42.7,73.25) ; v1(76.7,79.3) 72.7,75.3 ; v1(76.7,79.3) 72.7,75.3 ; v1(76.7,79.3) 72.7,75.3 ; v1(76.7,79.3) 72.7,75.3 ; 72.7,75.3 v1(72.7,73.25) ; 72.7,75.3 v1(72.7,73.25) ; 72.7,75.3 v1(72.7,73.25) ; 72.7,75.3 v1(72.7,73.25) ; v1(106.7,79.3) 102.7,75.3 ; v1(106.7,79.3) 102.7,75.3 ; v1(106.7,79.3) 102.7,75.3 ; v1(106.7,79.3) 102.7,75.3 ; 102.7,75.3 v1(102.7,73.25) ; 102.7,75.3 v1(102.7,73.25) ; 102.7,75.3 v1(102.7,73.25) ; 102.7,75.3 v1(102.7,73.25) ; v1(136.7,79.3) 132.7,75.3 ; v1(136.7,79.3) 132.7,75.3 ; v1(136.7,79.3) 132.7,75.3 ; v1(136.7,79.3) 132.7,75.3 ; 132.7,75.3 v1(132.7,73.25) ; 132.7,75.3 v1(132.7,73.25) ; 132.7,75.3 v1(132.7,73.25) ; 132.7,75.3 v1(132.7,73.25) ; v1(12.7,73.25) 12.7,70.6 ; v1(12.7,73.25) 12.7,70.6 ; v1(12.7,73.25) 12.7,70.6 ; v1(12.7,73.25) 12.7,70.6 ; v1(42.7,73.25) 42.7,70.6 ; v1(42.7,73.25) 42.7,70.6 ; v1(42.7,73.25) 42.7,70.6 ; v1(42.7,73.25) 42.7,70.6 ; v1(72.7,73.25) 72.7,70.6 ; v1(72.7,73.25) 72.7,70.6 ; v1(72.7,73.25) 72.7,70.6 ; v1(72.7,73.25) 72.7,70.6 ; v1(102.7,73.25) 102.7,70.6 ; v1(102.7,73.25) 102.7,70.6 ; v1(102.7,73.25) 102.7,70.6 ; v1(102.7,73.25) 102.7,70.6 ; v1(132.7,73.25) 132.7,70.6 ; v1(132.7,73.25) 132.7,70.6 ; v1(132.7,73.25) 132.7,70.6 ; v1(132.7,73.25) 132.7,70.6 ; v1(12.05,65.85) 12.05,69.95 ; v1(12.05,65.85) 12.05,69.95 ; v1(12.05,65.85) 12.05,69.95 ; v1(12.05,65.85) 12.05,69.95 ; 12.05,69.95 12.7,70.6 ; 12.05,69.95 12.7,70.6 ; 12.05,69.95 12.7,70.6 ; 12.05,69.95 12.7,70.6 ; v1(42.05,65.85) 42.05,69.95 ; v1(42.05,65.85) 42.05,69.95 ; v1(42.05,65.85) 42.05,69.95 ; v1(42.05,65.85) 42.05,69.95 ; 42.05,69.95 42.7,70.6 ; 42.05,69.95 42.7,70.6 ; 42.05,69.95 42.7,70.6 ; 42.05,69.95 42.7,70.6 ; v1(72.05,65.85) 72.05,69.95 ; v1(72.05,65.85) 72.05,69.95 ; v1(72.05,65.85) 72.05,69.95 ; v1(72.05,65.85) 72.05,69.95 ; 72.05,69.95 72.7,70.6 ; 72.05,69.95 72.7,70.6 ; 72.05,69.95 72.7,70.6 ; 72.05,69.95 72.7,70.6 ; v1(102.05,65.85) 102.05,69.95 ; v1(102.05,65.85) 102.05,69.95 ; v1(102.05,65.85) 102.05,69.95 ; v1(102.05,65.85) 102.05,69.95 ; 102.05,69.95 102.7,70.6 ; 102.05,69.95 102.7,70.6 ; 102.05,69.95 102.7,70.6 ; 102.05,69.95 102.7,70.6 ; v1(132.05,65.85) 132.05,69.95 ; v1(132.05,65.85) 132.05,69.95 ; v1(132.05,65.85) 132.05,69.95 ; v1(132.05,65.85) 132.05,69.95 ; 132.05,69.95 132.7,70.6 ; 132.05,69.95 132.7,70.6 ; 132.05,69.95 132.7,70.6 ; 132.05,69.95 132.7,70.6 ; 132.7,23.3 v1(132.7,21.25) ; 132.7,23.3 v1(132.7,21.25) ; 132.7,23.3 v1(136.7,27.3) ; 132.7,23.3 v1(132.7,21.25) ; 132.7,23.3 v1(136.7,27.3) ; 132.7,23.3 v1(132.7,21.25) ; 132.7,23.3 v1(136.7,27.3) ; 132.7,23.3 v1(136.7,27.3) ; v1(132.7,21.25) 132.7,18.6 ; v1(132.7,21.25) 132.7,18.6 ; v1(132.7,21.25) 132.7,18.6 ; v1(132.7,21.25) 132.7,18.6 ; v1(132.05,13.85) 132.05,17.95 ; v1(132.05,13.85) 132.05,17.95 ; v1(132.05,13.85) 132.05,17.95 ; v1(132.05,13.85) 132.05,17.95 ; 132.05,17.95 132.7,18.6 ; 132.05,17.95 132.7,18.6 ; 132.05,17.95 132.7,18.6 ; 132.05,17.95 132.7,18.6 ; v1(102.05,13.85) 102.05,17.95 ; v1(102.05,13.85) 102.05,17.95 ; v1(102.05,13.85) 102.05,17.95 ; v1(102.05,13.85) 102.05,17.95 ; 102.05,17.95 102.7,18.6 ; 102.05,17.95 102.7,18.6 ; 102.05,17.95 102.7,18.6 ; 102.05,17.95 102.7,18.6 ; 102.7,18.6 v1(102.7,21.25) ; 102.7,18.6 v1(102.7,21.25) ; 102.7,18.6 v1(102.7,21.25) ; 102.7,18.6 v1(102.7,21.25) ; v1(102.7,21.25) 102.7,23.3 ; v1(102.7,21.25) 102.7,23.3 ; v1(102.7,21.25) 102.7,23.3 ; v1(102.7,21.25) 102.7,23.3 ; 102.7,23.3 v1(106.7,27.3) ; 102.7,23.3 v1(106.7,27.3) ; 102.7,23.3 v1(106.7,27.3) ; 102.7,23.3 v1(106.7,27.3) ; 72.05,17.95 72.7,18.6 ; 72.05,17.95 v1(72.05,13.85) ; 72.05,17.95 72.7,18.6 ; 72.05,17.95 72.7,18.6 ; 72.05,17.95 72.7,18.6 ; 72.05,17.95 v1(72.05,13.85) ; 72.05,17.95 v1(72.05,13.85) ; 72.05,17.95 v1(72.05,13.85) ; 72.7,18.6 v1(72.7,21.25) ; 72.7,18.6 v1(72.7,21.25) ; 72.7,18.6 v1(72.7,21.25) ; 72.7,18.6 v1(72.7,21.25) ; v1(72.7,21.25) 72.7,23.3 ; v1(72.7,21.25) 72.7,23.3 ; v1(72.7,21.25) 72.7,23.3 ; v1(72.7,21.25) 72.7,23.3 ; 72.7,23.3 v1(76.7,27.3) ; 72.7,23.3 v1(76.7,27.3) ; 72.7,23.3 v1(76.7,27.3) ; 72.7,23.3 v1(76.7,27.3) ; 42.05,17.95 42.7,18.6 ; 42.05,17.95 42.7,18.6 ; 42.05,17.95 v1(42.05,13.85) ; 42.05,17.95 v1(42.05,13.85) ; 42.05,17.95 42.7,18.6 ; 42.05,17.95 42.7,18.6 ; 42.05,17.95 v1(42.05,13.85) ; 42.05,17.95 v1(42.05,13.85) ; 42.7,18.6 v1(42.7,21.25) ; 42.7,18.6 v1(42.7,21.25) ; 42.7,18.6 v1(42.7,21.25) ; 42.7,18.6 v1(42.7,21.25) ; 42.7,23.3 v1(42.7,21.25) ; 42.7,23.3 v1(42.7,21.25) ; 42.7,23.3 v1(42.7,21.25) ; 42.7,23.3 v1(42.7,21.25) ; 42.7,23.3 v1(46.7,27.3) ; 42.7,23.3 v1(46.7,27.3) ; 42.7,23.3 v1(46.7,27.3) ; 42.7,23.3 v1(46.7,27.3) ; 12.05,17.95 12.7,18.6 ; 12.05,17.95 12.7,18.6 ; 12.05,17.95 12.7,18.6 ; 12.05,17.95 12.7,18.6 ; 12.05,17.95 v1(12.05,13.85) ; 12.05,17.95 v1(12.05,13.85) ; 12.05,17.95 v1(12.05,13.85) ; 12.05,17.95 v1(12.05,13.85) ; 12.7,18.6 v1(12.7,21.25) ; 12.7,18.6 v1(12.7,21.25) ; 12.7,18.6 v1(12.7,21.25) ; 12.7,18.6 v1(12.7,21.25) ; 12.7,23.3 v1(12.7,21.25) ; 12.7,23.3 v1(16.7,27.3) ; 12.7,23.3 v1(16.7,27.3) ; 12.7,23.3 v1(12.7,21.25) ; 12.7,23.3 v1(12.7,21.25) ; 12.7,23.3 v1(16.7,27.3) ; 12.7,23.3 v1(12.7,21.25) ; 12.7,23.3 v1(16.7,27.3)